# Altium PCB Rear Power Distibution.PcbDoc (part 3 of 3)
Units mm, origin at the board's own origin, x right, y up, seen from the top; angles counter-clockwise.
Board outline 150 x 110 mm, 4 copper layers (Component Side, Ground, Signal, Solder Side), stack 0.843 mm thick; 312 components, 205 nets, 1228 pads, 506 vias.
Unrouted connection lines stored in the file: 174.
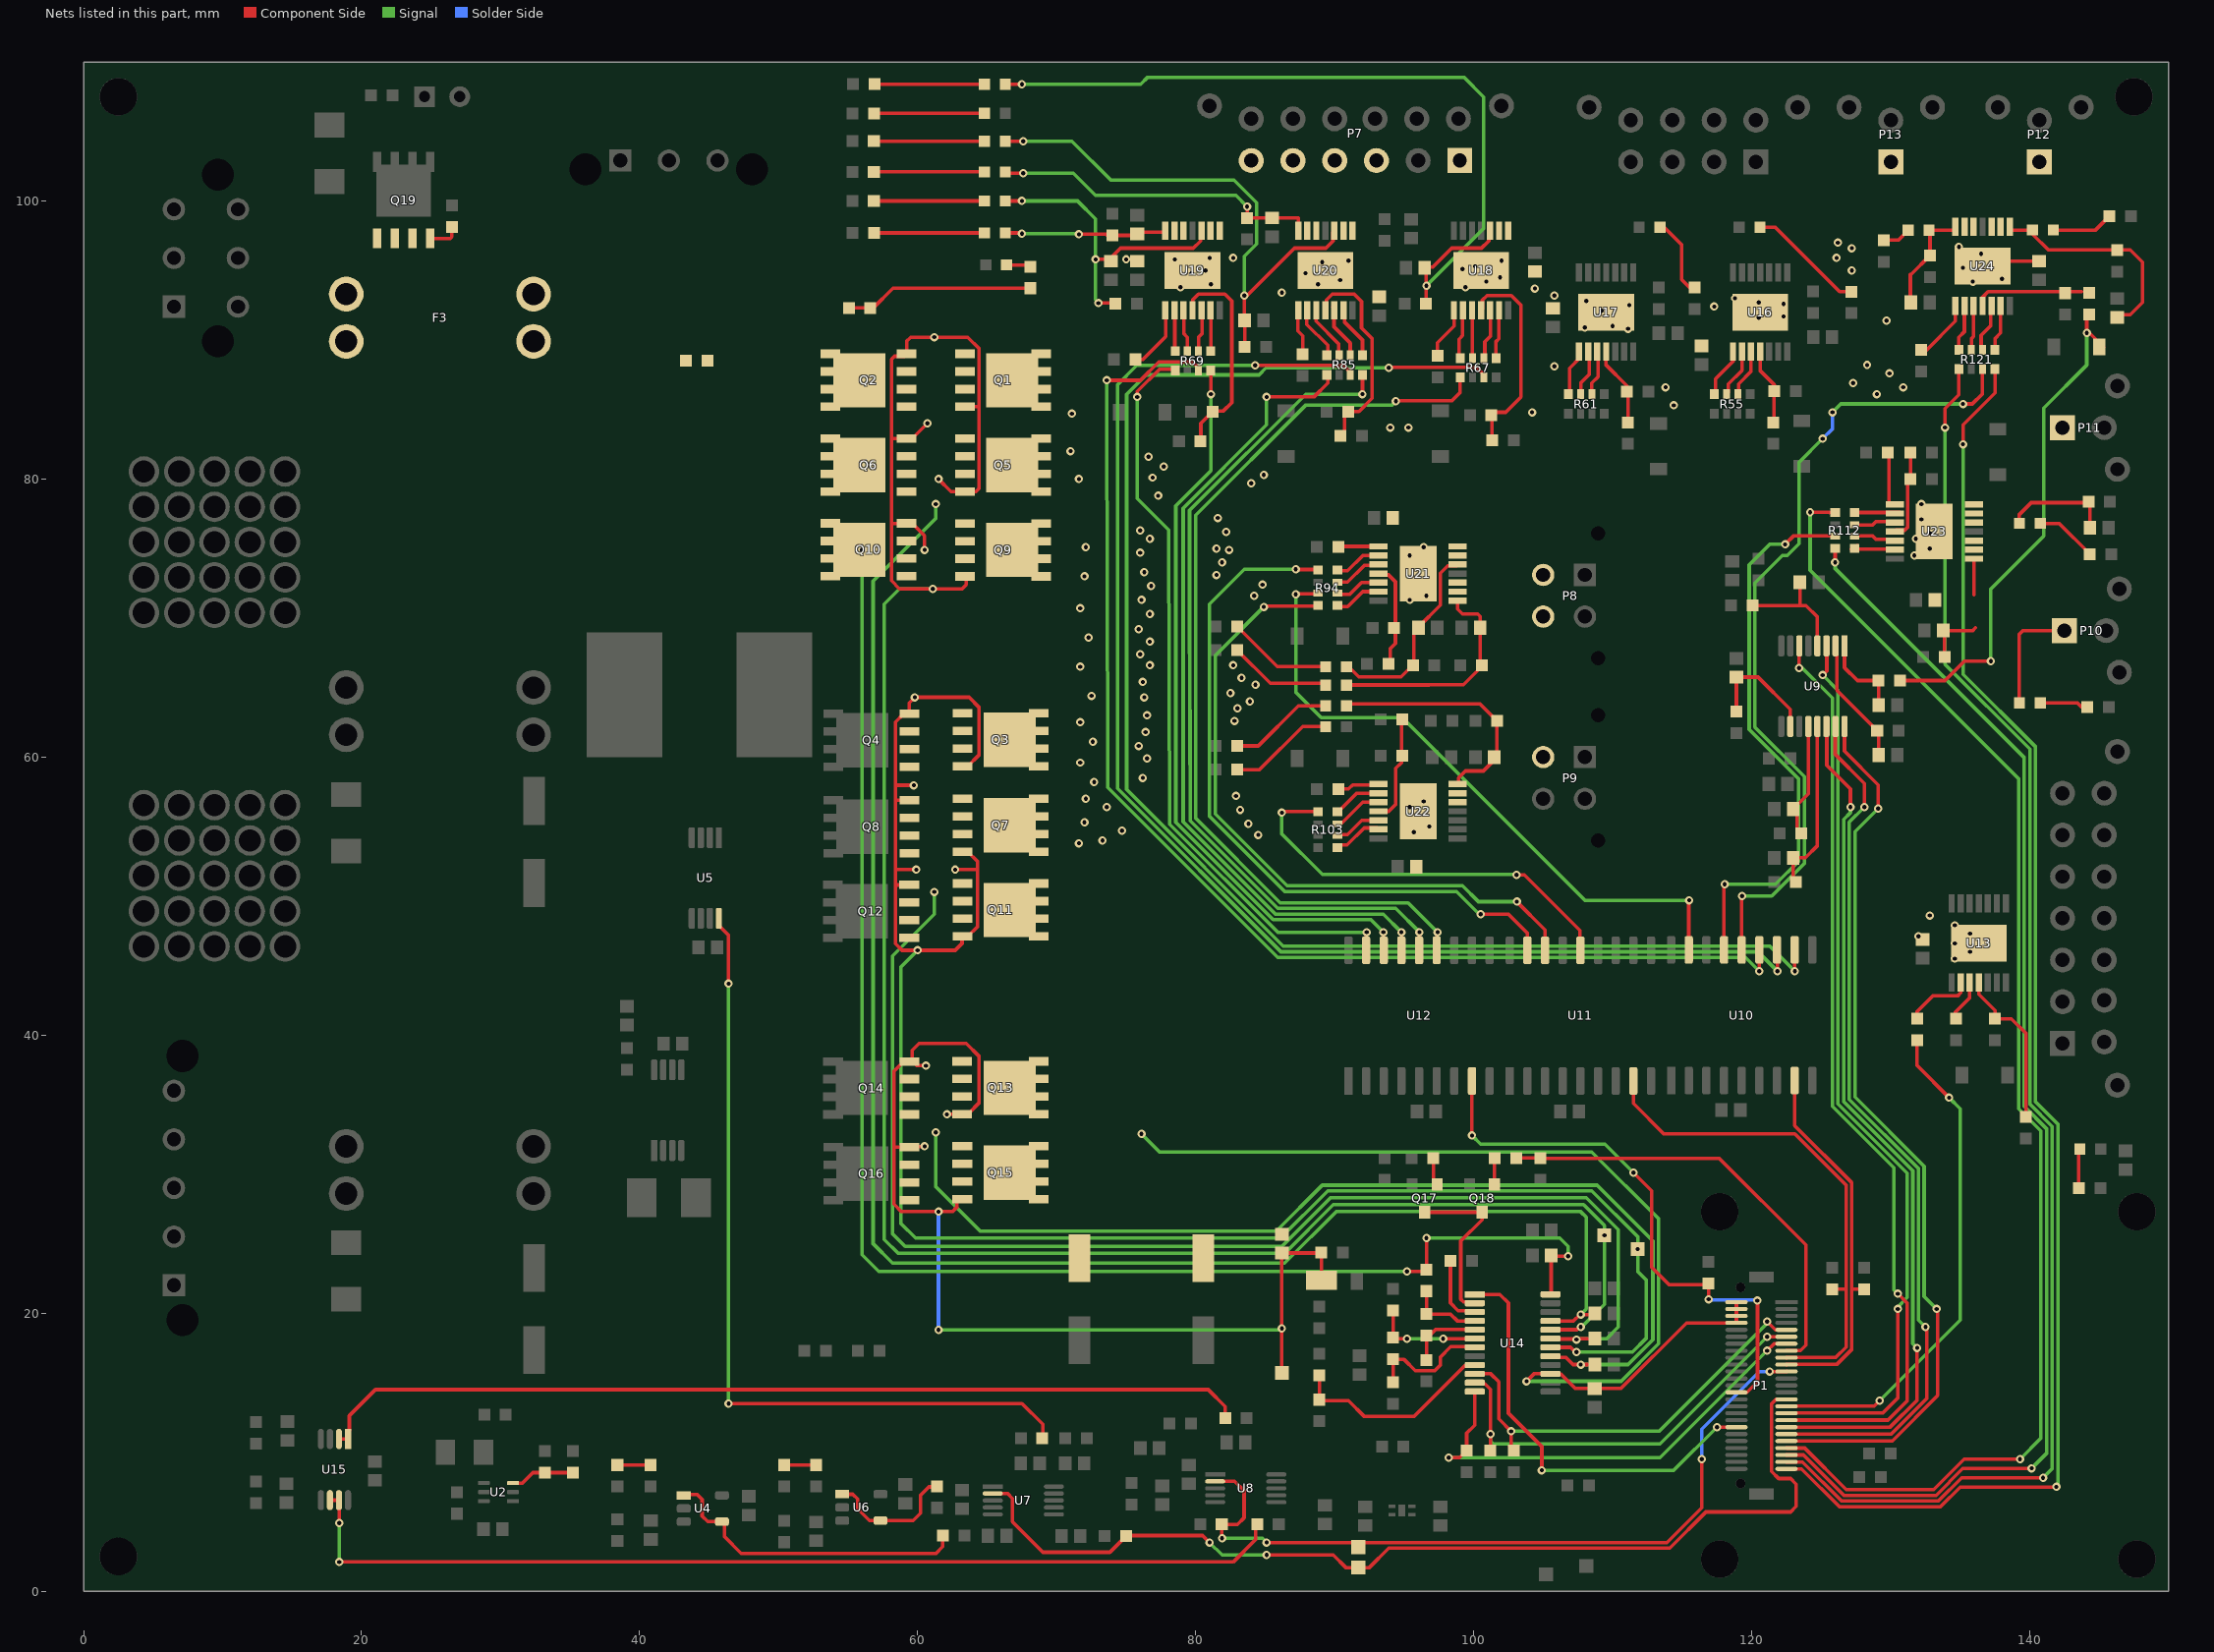
[diagram p5: the nets of this part, all layers, seen from the top]

## Via types
v1: diameter 0.6, hole 0.3, Component Side to Solder Side, tented both sides, 506 vias

## Nets (pads, with @x,y where several pads share a name; then routed paths per layer and width w, separated by ;. In a path a pad name is that pad's centre, name@x,y a point inside that pad or via, vN(x,y) a via of type N, cw(c..) or ccw(c..) an arc to the next point about the centre after c; other vN are vias at no path point) (continued)
NetD14_1: D14.1 R125.1 R126.2 | length 36.9
  Component Side w0.254: R126.2@130.575,65.5 130.675,65.5 133.9,65.5 135.3,66.9 v1(137.2,66.9) ; R125.1@144.1,91.625 v1(144.1,90.5) 144.3,90.5 145,89.8 D14.1@145,89.781 ; D14.1@144.881,89.9 D14.1@145,89.781 ; D14.1@145,89.5 D14.1@145,89.781 ; D14.1@145.301,89.48 D14.1@145,89.781
  Signal w0.254: v1(137.2,66.9) 137.2,72.1 141,75.9 141,85.1 144.1,88.2 v1(144.1,90.5)
NetF3_1: F3.1 F3.3 Q19.1 Q19.2 Q19.3
NetF3_2: F3.2 F3.4 R130.1
NetLED1_1: LED1.1 R3.2 | length 1.8
  Component Side w0.254: LED1.1@66.4,95.4 67.975,95.4 R3.2@68.1,95.275
NetLED2_2: LED2.2 R30.1 | length 2.9
  Component Side w0.254: R30.1@143.525,29 R30.1@143.525,29.2 ; R30.1@143.55,29.175 R30.1@143.525,29.2 ; LED2.2@143.6,31.8 143.525,31.725 R30.1@143.525,29.2
NetLED3_2: LED3.2 R57.1 | length 8.5
  Component Side w0.254: LED3.2@120.6,98.11 121.69,98.11 126.325,93.475 R57.1@127.163,93.475
NetLED4_2: LED4.2 R63.1 | length 5.8
  Component Side w0.254: LED4.2@113.4,98.11 LED4.2@113.4,98.1 113.7,98.1 114.95,96.85 114.95,94.35 115.525,93.775 R63.1@115.9,93.775
NetLED5_2: LED5.2 R79.1 | length 7.9
  Component Side w0.254: R79.1@56.9,108.41 56.91,108.4 LED5.2@64.8,108.4
NetLED6_2: LED6.2 R80.1 | length 7.9
  Component Side w0.254: R80.1@56.85,100 LED6.2@64.8,100
NetLED7_2: LED7.2 R81.1 | length 7.9
  Component Side w0.254: R81.1@56.9,106.31 64.79,106.31 LED7.2@64.8,106.3
NetLED8_2: LED8.2 R82.1 | length 7.9
  Component Side w0.254: R82.1@56.875,97.7 LED8.2@64.8,97.7
NetLED9_2: LED9.2 R91.1 | length 7.8
  Component Side w0.254: R91.1@57,104.3 59.1,104.3 LED9.2@64.8,104.3
NetLED10_2: LED10.2 R92.1 | length 8
  Component Side w0.254: R92.1@56.85,102.1 64.79,102.1 LED10.2@64.8,102.09
NetLED11_2: LED11.2 R100.1 | length 7.7
  Component Side w0.254: R100.1@82.975,69.404 85.879,66.5 LED11.2@89.5,66.5
NetLED12_2: LED12.2 R101.1 | length 7.6
  Component Side w0.254: R101.1@82.975,67.7 85.375,65.3 LED12.2@89.55,65.3
NetLED13_2: LED13.2 R109.1 | length 7.6
  Component Side w0.254: R109.1@82.975,60.804 84.504,60.804 87.39,63.69 LED13.2@89.35,63.69
NetLED14_2: LED14.2 R110.1 | length 7.7
  Component Side w0.254: R110.1@82.975,59.1 84.6,59.1 87.7,62.2 LED14.2@89.35,62.2
NetLED15_2: LED15.2 R118.1 | length 3.5
  Component Side w0.254: LED15.2@140.75,63.9 143.425,63.9 143.725,63.6 R118.1@144.125,63.6
NetLED16_2: LED16.2 R119.1 | length 4.5
  Component Side w0.254: LED16.2@140.75,76.8 142.125,76.8 R119.1@144.325,74.6
NetLED17_2: LED17.2 R127.1 | length 4.4
  Component Side w0.254: LED17.2@141.7,97.91 144.735,97.91 R127.1@145.725,98.9
NetLED18_2: LED18.2 R128.1 | length 2
  Component Side w0.254: R128.1@129.5,97.175 130.535,97.175 LED18.2@131.25,97.89
NetQ17_1: Q17.1 R40.1 | length 2
  Component Side w0.254: R40.1@97.075,31.162 97.098,31.139 97.098,29.535 Q17.1@97.371,29.262
NetQ17_3: Q17.3 Q18.3 U14.2 | length 12.1
  Component Side w0.254: Q17.3@96.471,27.262 Q18.3@100.6,27.262 100.6,26.712 99.071,25.183 99.071,21.009 99.267,20.813 99.977,20.813 U14.2@100.075,20.715
NetQ18_1: Q18.1 R41.1 | length 1.8
  Component Side w0.254: Q18.1@101.5,29.262 R41.1@101.5,31.087
NetQ19_4: Q19.4 R50.1 | length 2.4
  Component Side w0.254: Q19.4@24.925,97.095 25.13,97.3 26.375,97.3 26.5,97.425 R50.1@26.5,98.125
NetR4_2: R4.2 R6.1 U2.3 | length 4.3
  Component Side w0.254: U2.3@30.994,7.781 31.581,7.781 32.325,8.525 33.1,8.525 R6.1@35,8.525
NetR12_1: R12.1 U4.1 U4.4 | length 22.6
  Component Side w0.254: U4.1@43.175,6.95 44.15,6.95 44.5,6.6 44.5,5.4 44.9,5 U4.4@45.925,5 45.947,5 46.118,4.829 46.118,3.915 47.314,2.719 61.319,2.719 61.8,3.2 R12.1@61.8,4
NetR13_2: R13.2 R14.1 | length 2.4
  Component Side w0.254: R14.1@38.1,9.075 R13.2@40.496,9.075
NetR16_1: R16.1 U5.8 | length 59.4
  Component Side w0.254: U5.8@45.7,48.4 45.7,47.875 46.4,47.175 v1(46.4,43.7) ; v1(46.4,13.5) 67.5,13.5 69,12 R16.1@69,11
  Signal w0.254: v1(46.4,13.5) v1(46.4,43.7)
NetR18_1: R18.1 U6.1 U6.4 | length 9.9
  Component Side w0.254: U6.1@54.346,6.975 54.429,6.975 55.325,6.975 55.675,6.625 55.675,5.925 56.525,5.075 57.179,5.075 59.675,5.075 60.2,5.6 60.2,6.9 60.8,7.5 R18.1@61.3,7.5
NetR19_2: R19.2 R20.1 | length 2.3
  Component Side w0.254: R20.1@50.4,9.075 R19.2@52.7,9.075
NetR26_2: R26.2 U13.2 | length 5
  Component Side w0.254: R26.2@131.9,41.175 131.9,41.7 133.043,42.843 134.843,42.843 135.031,43.031 U13.2@135.031,43.777
NetR27_2: R27.2 U13.3 | length 3
  Component Side w0.254: R27.2@134.6,41.175 134.65,41.225 134.65,41.646 135.681,42.677 U13.3@135.681,43.777
NetR28_1: R28.1 R29.1 U13.4 | length 11.5
  Component Side w0.254: U13.4@136.331,43.777 136.331,42.927 137.5,41.758 R28.1@137.5,41.175 138.683,41.175 139.731,40.127 R29.1@139.731,34.427
NetR36_2: R36.2 R38.1 U14.4 | length 5.2
  Component Side w0.254: R36.2@96.8,21.387 96.6,21.187 R38.1@96.6,19.932 96.6,19.929 98.333,19.929 98.817,19.445 U14.4@100.075,19.445
NetR37_2: R37.2 R44.1 U14.6 | length 7.5
  Component Side w0.254: R44.1@94.2,18.237 94.279,18.157 94.284,18.162 v1(95.2,18.162) ; R44.1@94.2,18.541 R37.2@94.2,20.162 ; v1(97.8,18.162) 100.013,18.162 U14.6@100.037,18.137
  Signal w0.254: v1(95.2,18.162) v1(97.8,18.162)
NetR38_2: R38.2 R43.1 U14.5 | length 5.4
  Component Side w0.254: R43.1@96.8,16.737 96.6,16.937 R38.2@96.6,18.382 96.821,18.382 97.281,18.843 U14.5@100.042,18.843
NetR42_1: R42.1 U14.3 | length 5
  Component Side w0.254: R42.1@98.325,23.762 98.325,20.737 98.884,20.178 99.977,20.178 U14.3@100.075,20.08
NetR44_2: R44.2 R48.1 U14.7 | length 8.6
  Component Side w0.254: R48.1@94.2,15.337 R44.2@94.2,16.687 ; R44.2@94.225,16.662 95,16.662 95.8,15.862 97.2,15.862 97.6,16.262 97.6,16.831 98.355,17.586 100.029,17.586 U14.7@100.075,17.54
NetR47_2: R47.2 R49.1 U14.9 | length 14.8
  Component Side w0.254: R47.2@88.9,15.382 88.9,13.771 89.3,13.7 91,13.7 92.138,12.562 95.7,12.562 99.366,16.228 100.033,16.228 U14.9@100.075,16.27
NetR51_1: R51.1 U15.1 U15.2 | length 67.5
  Component Side w0.254: U15.2@18.375,10.95 U15.1@19.025,10.95 19.025,11.45 19.123,11.548 19.123,12.623 21,14.5 80.9,14.5 82.125,13.275 R51.1@82.125,12.4
NetR53_1: R53.1 U15.6 U15.7 | length 72.9
  Component Side w0.254: U15.6@17.725,6.55 U15.7@18.375,6.55 18.388,6.537 18.388,4.912 v1(18.4,4.9) ; v1(18.4,2.1) 82.7,2.1 84.3,3.7 R53.1@84.3,4.9
  Signal w0.254: v1@18.394,2.1 18.394,4.894 v1(18.4,4.9)
NetR55_6: R55.6 U16.3 | length 3.4
  Component Side w0.254: R55.6@119,86.1 119.046,86.146 119.046,86.831 119.95,87.735 U16.3@119.95,89.15
NetR55_7: R55.7 U16.2 | length 3.5
  Component Side w0.254: R55.7@118.2,86.1 118.321,86.221 118.321,86.831 119.3,87.81 U16.2@119.3,89.15
NetR55_8: R55.8 U16.1 | length 3.6
  Component Side w0.254: R55.8@117.4,86.1 117.4,87.2 118.65,88.45 U16.1@118.65,89.15
NetR58_1: R58.1 R60.1 U16.4 | length 5.2
  Component Side w0.254: U16.4@120.6,89.15 120.6,87.8 121.625,86.775 R60.1@121.625,86.306 ; R58.1@121.6,84.375 R60.1@121.6,86.281
NetR61_6: R61.6 U17.3 | length 3.2
  Component Side w0.254: R61.6@108.5,86.1 108.5,86.9 108.95,87.35 U17.3@108.95,89.15
NetR61_7: R61.7 U17.2 | length 3.3
  Component Side w0.254: R61.7@107.7,86.1 107.7,86.9 108.3,87.5 U17.2@108.3,89.15
NetR61_8: R61.8 U17.1 | length 3.4
  Component Side w0.254: R61.8@106.9,86.1 106.9,87.97 107.65,88.72 U17.1@107.65,89.15
NetR64_1: R64.1 R66.1 U17.4 | length 5.6
  Component Side w0.254: U17.4@109.5,89.15 109.5,88.225 R64.1@111.025,86.7 ; R64.1@111.025,86.614 111.1,86.539 R66.1@111.1,84.1
NetR67_5: R67.5 U18.6 | length 3.5
  Component Side w0.254: R67.5@101.609,88.7 101.609,89.891 101.8,90.081 U18.6@101.8,92.15
NetR67_6: R67.6 U18.5 | length 3.4
  Component Side w0.254: R67.6@100.8,88.9 100.8,89.874 101.2,90.274 U18.5@101.2,92.15
NetR67_7: R67.7 U18.3 | length 3
  Component Side w0.254: R67.7@99.9,88.7 U18.3@99.9,91.7
NetR67_8: R67.8 U18.2 | length 3.6
  Component Side w0.254: R67.8@98.94,88.7 98.94,90.06 99.2,90.32 U18.2@99.2,92.15
NetR69_5: R69.5 U19.6 | length 3.1
  Component Side w0.254: R69.5@81.098,89.418 U19.6@81.098,92.47
NetR69_6: R69.6 U19.5 | length 3.3
  Component Side w0.254: R69.6@80.2,89.3 80.2,90.2 80.448,90.448 U19.5@80.448,92.47
NetR69_7: R69.7 U19.3 | length 3.3
  Component Side w0.254: U19.3@79.148,92.47 79.148,90.452 79.4,90.2 R69.7@79.4,89.3
NetR69_8: R69.8 U19.2 | length 3.2
  Component Side w0.254: R69.8@78.498,89.3 U19.2@78.498,92.47
NetR73_1: R73.1 U18.1 | length 3.7
  Component Side w0.254: R73.1@97.4,88.875 97.4,89.8 98.6,91 U18.1@98.6,92.108
NetR74_1: R74.1 U19.1 | length 4.8
  Component Side w0.254: R74.1@75.675,88.6 76.2,88.6 77.85,90.25 U19.1@77.85,92.15
NetR75_2: R75.2 R83.1 U18.4 | length 14.9
  Component Side w0.254: U18.4@100.529,92.15 100.627,92.248 100.627,92.873 100.955,93.2 102.704,93.2 103.4,92.504 103.4,85.9 102.3,84.8 R75.2@101.475,84.8 ; R75.2@101.275,84.804 101.325,84.754 R83.1@101.325,82.875
NetR77_2: R77.2 R84.1 U19.4 | length 14.9
  Component Side w0.254: U19.4@79.798,92.47 79.798,92.898 80.2,93.3 82.1,93.3 82.6,92.8 82.6,85.5 82,84.9 81.498,84.9 R77.2@81.498,84.85 ; R84.1@80.375,82.7 80.375,84.004 R77.2@81.221,84.85 R77.2@81.3,84.771
NetR85_5: R85.5 U20.6 | length 3.9
  Component Side w0.254: U20.6@90.6,92.15 90.698,92.052 90.698,91.302 92,90 R85.5@92,88.9 ; U20.6@90.6,92.45 U20.6@90.64,92.41
NetR85_6: R85.6 U20.5 | length 4.1
  Component Side w0.254: U20.5@89.95,92.45 89.875,92.375 89.95,92.3 89.95,90.95 91.12,89.78 R85.6@91.12,88.9
NetR85_7: R85.7 U20.3 | length 4.2
  Component Side w0.254: U20.3@88.65,92.45 88.65,91.35 90.3,89.7 R85.7@90.3,88.9
NetR85_8: R85.8 U20.2 | length 4.2
  Component Side w0.254: U20.2@88,92.45 88,91.12 89.5,89.62 R85.8@89.5,88.9
NetR88_1: R88.1 U20.1 | length 3.4
  Component Side w0.254: U20.1@87.325,92.475 U20.1@87.35,92.45 ; U20.1@87.35,92.15 87.35,90.65 87.7,90.3 R88.1@87.7,88.975
NetR89_2: R89.2 R93.1 U20.4 | length 15.1
  Component Side w0.254: U20.4@89.3,92.15 89.398,92.248 89.398,92.873 89.825,93.3 91.404,93.3 91.931,92.773 91.931,90.869 92.7,90.1 92.7,85.8 91.75,84.85 R89.2@90.975,84.85 90.723,84.598 90.723,83.398 R93.1@90.425,83.1
NetR94_5: R94.5 U21.6 | length 3.4
  Component Side w0.254: R94.5@90.2,70.82 90.935,70.82 92.015,71.9 U21.6@93.15,71.9
NetR94_6: R94.6 U21.5 | length 3.3
  Component Side w0.254: R94.6@90.2,71.7 91.085,71.7 91.935,72.55 U21.5@93.15,72.55
NetR94_7: R94.7 U21.3 | length 3.5
  Component Side w0.254: R94.7@90.2,72.5 90.296,72.596 90.931,72.596 92.114,73.779 93.079,73.779 U21.3@93.15,73.85
NetR94_8: R94.8 U21.2 | length 3.4
  Component Side w0.254: R94.8@90.2,73.38 90.216,73.396 90.931,73.396 92.035,74.5 U21.2@93.15,74.5
NetR97_1: R97.1 U21.1 | length 2.8
  Component Side w0.254: R97.1@90.375,75.1 90.425,75.15 U21.1@93.15,75.15
NetR98_2: R98.2 R102.1 U21.4 | length 7.5
  Component Side w0.254: U21.4@93.15,73.2 93.248,73.102 93.873,73.102 94.371,72.604 94.371,69.4 94.371,68.171 94,67.8 R98.2@94,66.7
NetR103_5: R103.5 U22.6 | length 3.4
  Component Side w0.254: R103.5@90.2,53.491 90.393,53.684 90.896,53.684 92.114,54.902 U22.6@93.052,54.902
NetR103_6: R103.6 U22.5 | length 3.4
  Component Side w0.254: R103.6@90.2,54.371 90.261,54.431 90.931,54.431 91.95,55.45 U22.5@93.15,55.45
NetR103_7: R103.7 U22.3 | length 3.6
  Component Side w0.254: R103.7@90.2,55.171 90.433,55.171 92.012,56.75 U22.3@93.15,56.75
NetR103_8: R103.8 U22.2 | length 3.5
  Component Side w0.254: R103.8@90.2,56.051 90.23,56.051 91.579,57.4 U22.2@93.15,57.4
NetR106_1: R106.1 U22.1 | length 3
  Component Side w0.254: R106.1@90.275,57.7 91,57.7 91.298,57.998 U22.1@93.15,57.998
NetR107_2: R107.2 R111.1 U22.4 | length 7.7
  Component Side w0.254: U22.4@93.4,56.1 93.9,56.1 94.396,56.596 94.396,59.196 94.8,59.6 R107.2@94.8,62.9
NetR112_5: R112.5 U23.6 | length 3.1
  Component Side w0.254: R112.5@127.16,74.96 R112.5@127.4,74.96 ; R112.5@127.4,75.02 R112.5@127.593,75.213 ; R112.5@127.6,74.96 U23.6@130.21,74.96
NetR112_6: R112.6 U23.5 | length 2.8
  Component Side w0.254: R112.6@127.6,75.9 128.7,75.9 128.95,75.65 U23.5@130.25,75.65
NetR112_7: R112.7 U23.3 | length 2.9
  Component Side w0.254: R112.7@127.4,76.7 R112.7@127.504,76.804 ; R112.7@127.6,76.7 127.704,76.7 128.7,76.7 128.95,76.95 U23.3@130.25,76.95
NetR112_8: R112.8 U23.2 | length 2.9
  Component Side w0.254: R112.8@127.7,77.58 127.71,77.59 U23.2@130.64,77.59
NetR115_1: R115.1 U23.1 | length 3.6
  Component Side w0.254: U23.1@129.875,78.25 R115.1@129.875,81.9
NetR116_2: R116.2 R120.1 U23.4 | length 6.5
  Component Side w0.254: U23.4@130.289,76.221 130.387,76.319 131.012,76.319 131.223,76.53 131.223,79.798 R116.2@131.425,80 R120.1@131.425,81.9
NetR121_5: R121.5 U24.6 | length 3.1
  Component Side w0.254: R121.5@137.5,89.6 137.5,90.1 137.9,90.5 U24.6@137.9,92.55
NetR121_6: R121.6 U24.5 | length 3.4
  Component Side w0.254: R121.6@136.5,89.3 136.5,90.335 137.2,91.035 U24.5@137.2,92.45
NetR121_7: R121.7 U24.3 | length 3.2
  Component Side w0.254: R121.7@135.8,89.3 135.8,90.1 135.95,90.25 U24.3@135.95,92.45
NetR121_8: R121.8 U24.2 | length 3.3
  Component Side w0.254: R121.8@134.92,89.3 134.9,89.32 134.9,90.2 135.3,90.6 U24.2@135.3,92.45
NetR124_1: R124.1 U24.1 | length 4.4
  Component Side w0.254: R124.1@132.2,89.275 132.575,89.275 134.65,91.35 U24.1@134.65,92.45
NetR125_2: R125.2 R129.1 U24.4 | length 7.9
  Component Side w0.254: U24.4@136.6,92.45 136.6,93.075 137,93.475 143.721,93.475
PA0_SPARE_4_EN: P1.25 R121.4 | length 105.3
  Component Side w0.254: P1.25@122.5,8.8 123.577,8.8 126.295,6.082 133.592,6.082 134.987,7.477 141.877,7.477 v1(141.908,7.508) ; v1(135.2,82.5) 135.2,83.9 137.5,86.2 R121.4@137.5,87.9
  Signal w0.254: v1(135.2,82.5) 135.2,65.948 140.418,60.73 140.418,35.205 142.018,33.605 142.018,7.618 v1(141.908,7.508)
PA1_SPARE_3_EN: P1.24 R121.1 | length 103.9
  Component Side w0.254: P1.24@122.5,9.3 122.509,9.291 123.66,9.291 126.464,6.488 133.424,6.488 135.094,8.158 v1(140.958,8.158) ; v1(133.9,83.7) 133.9,85.063 134.9,86.063 R121.1@134.9,87.9
  Signal w0.254: v1(133.9,83.7) 133.9,66.674 140.012,60.562 140.012,35.036 141.612,33.436 141.612,8.812 v1(140.958,8.158)
PA2_SPARE_2_EN: P1.23 R112.4 | length 92.6
  Component Side w0.254: P1.23@122.5,9.8 123.726,9.8 126.632,6.894 133.256,6.894 135.181,8.819 140.119,8.819 v1(140.139,8.839) ; v1(126,74) R112.4@126,75.02
  Signal w0.254: v1(126,74) 126,73.563 139.606,59.957 139.606,34.868 141.206,33.268 141.206,9.906 v1(140.139,8.839)
PA3_SPARE_1_EN: P1.22 R112.1 | length 96
  Component Side w0.254: P1.22@122.5,10.3 122.509,10.291 123.809,10.291 126.8,7.3 133.088,7.3 135.288,9.5 v1(139.3,9.5) ; v1(124.2,77.6) 125.58,77.6 125.59,77.59 ; R112.1@125.96,77.59 125.97,77.58 R112.1@126,77.58
  Signal w0.254: v1(124.2,77.6) 124.2,73.437 139.2,58.437 139.2,34.7 140.8,33.1 140.8,11 v1(139.3,9.5)
PA4_MUX_SEL3: P1.21 U9.9 | length 64.5
  Component Side w0.254: P1.21@122.5,10.8 122.509,10.809 130.109,10.809 133.381,14.081 133.381,20.219 v1(133.3,20.3) ; U9.9@126.675,62.2 126.675,60.425 129.1,58 v1(129.1,56.3)
  Signal w0.254: v1(129.1,56.3) 127.424,54.624 127.424,35.547 132.399,30.572 132.399,21.201 v1(133.3,20.3)
PA5_MUX_SEL2: P1.20 U9.10 | length 63.1
  Component Side w0.254: P1.20@122.5,11.3 122.509,11.309 130.035,11.309 132.581,13.855 132.581,18.919 v1(132.5,19) ; U9.10@126,62.2 126,60.2 128.1,58.1 v1(128.1,56.4)
  Signal w0.254: v1(128.1,56.4) 127.018,55.318 127.018,35.379 131.993,30.404 131.993,19.507 v1(132.5,19)
PA6_MUX_SEL1: P1.19 U9.11 | length 61.8
  Component Side w0.254: P1.19@122.5,11.8 122.509,11.809 129.96,11.809 131.9,13.748 v1(131.9,17.5) ; U9.11@125.4,62.2 125.4,59.4 127.1,57.7 v1(127.1,56.4)
  Signal w0.254: v1(127.1,56.4) 127.1,56 126.612,55.512 126.612,35.211 131.587,30.236 131.587,17.813 v1(131.9,17.5)
PA7_MUX_OUT_EN: P1.18 U9.6 | length 66.9
  Component Side w0.254: P1.18@122.5,12.3 122.509,12.309 129.809,12.309 131.181,13.681 131.181,20.719 v1(130.5,21.4) ; v1(123.4,66.4) 123.412,66.412 123.412,67.987 U9.6@123.425,68
  Signal w0.254: v1(123.4,66.4) 123.637,66.4 125.8,64.237 125.8,34.874 130.225,30.449 130.225,21.675 v1(130.5,21.4)
PA8_V\A\L\I\D\3\: P1.7 R35.2 U14.12 | length 33.7
  Component Side w0.254: v1(98.2,9.6) 98.98,9.6 R35.2@99.491,10.112 99.491,11.362 100.075,11.945 U14.12@100.075,14.365 ; v1(121.1,17.3) 121.591,17.791 122.491,17.791 P1.7@122.5,17.8
  Signal w0.254: v1(98.2,9.6) 113.4,9.6 v1(121.1,17.3)
PA9_V\A\L\I\D\2\: P1.6 R34.2 U14.11 | length 30.9
  Component Side w0.254: U14.11@100.075,15 100.173,14.902 100.817,14.902 101.2,14.519 v1(101.2,11.3) 101.2,10.316 101.3,10.216 R34.2@101.196,10.112 ; v1(121.1,18.3) P1.6@122.5,18.3
  Signal w0.254: v1(101.2,11.3) 101.2,10.8 101.4,10.6 113.4,10.6 v1(121.1,18.3)
PA10_V\A\L\I\D\1\: P1.5 R33.2 U14.10 | length 30.6